# Altium PCB Pleiades_Frouf.PcbDoc (part 5 of 12)
Units mil, origin at the board's own origin, x right, y up, seen from the top; angles counter-clockwise.
Board outline 12244.09 x 4515.28 mil, 12 copper layers (TOP, GND1, IN1, GND2, POW1, GND3, POW2, GND4, GND5, IN2, GND6, BOT), stack 63.546 mil thick; 1442 components, 702 nets, 4419 pads, 1756 vias.
Unrouted connection lines stored in the file: 1088.
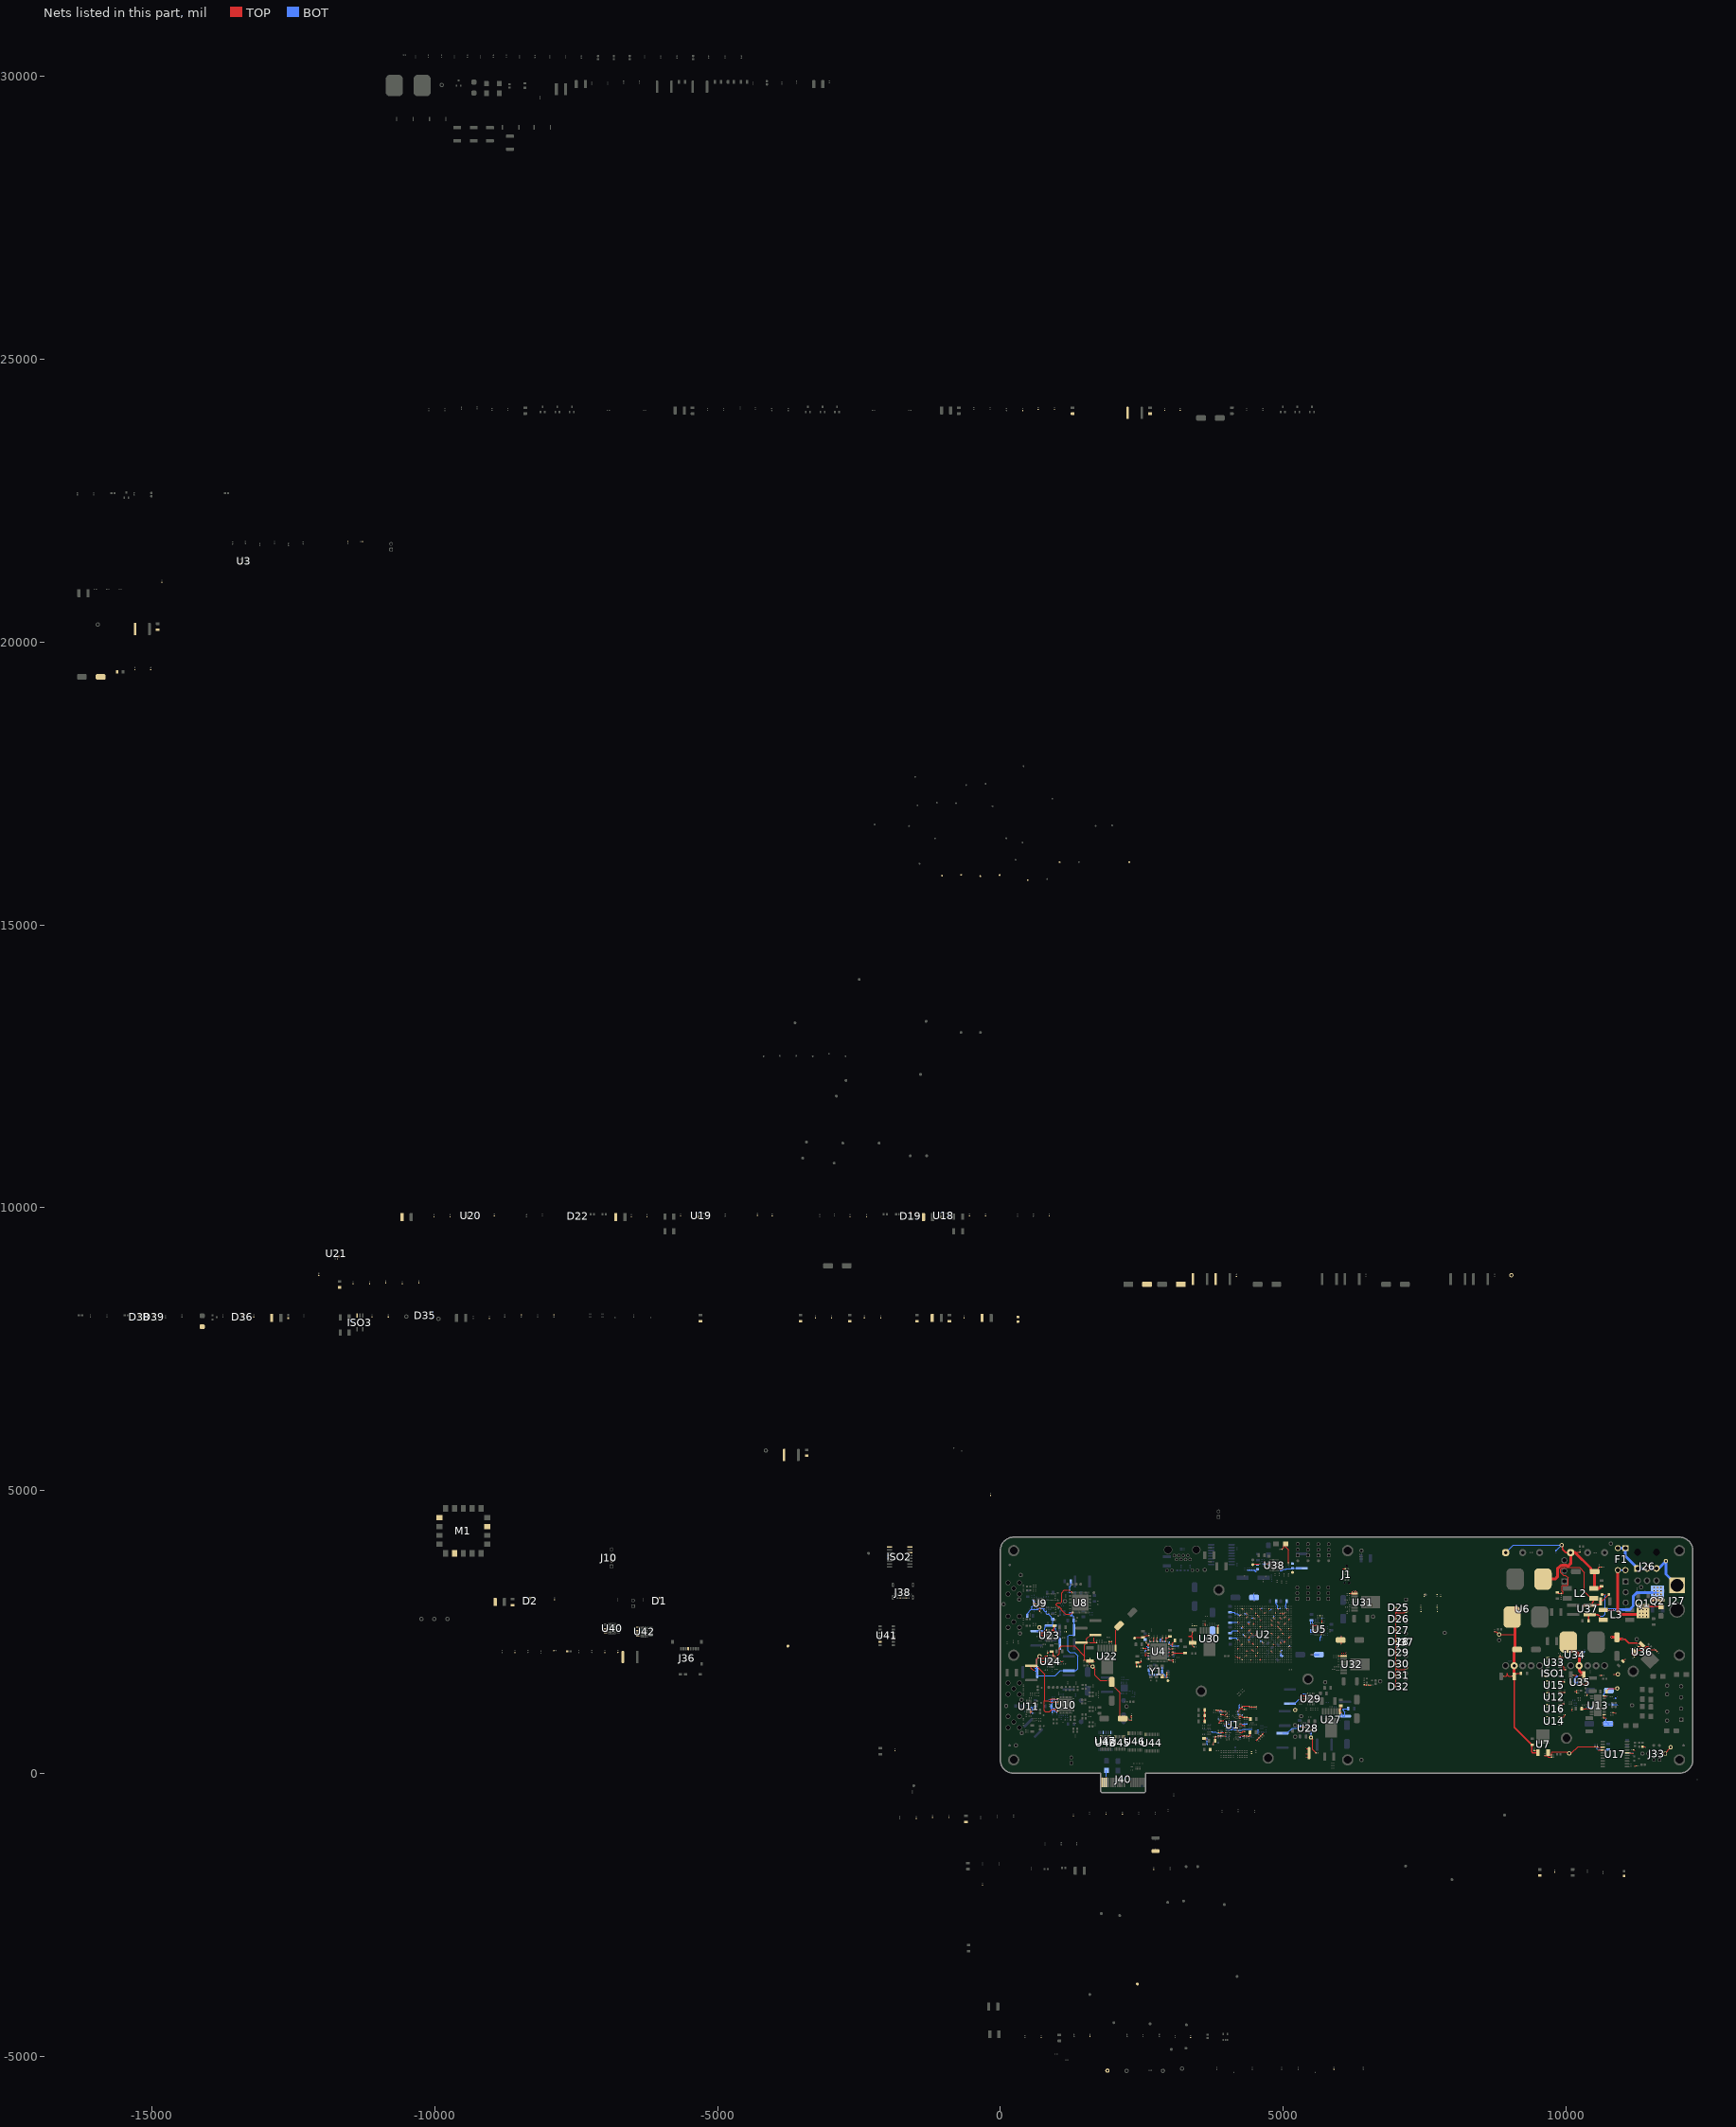
[diagram p15: the nets of this part, all layers, seen from the top]

## Via types
v1: diameter 12/18/18/18/18/18/18/18/18/18/18/12 (per signal layer), hole 6, TOP to BOT, 1113 vias
v2: diameter 20, hole 10, TOP to BOT, 363 vias
v3: diameter 19.68, hole 7.87, TOP to BOT, 110 vias
v4: diameter 25, hole 12, TOP to BOT, 67 vias
v5: diameter 40, hole 20, TOP to BOT, 48 vias
v6: diameter 22, hole 12, TOP to BOT, 27 vias
v7: diameter 12, hole 6, TOP to BOT, 19 vias
v8: diameter 19.68, hole 11.81, TOP to BOT, 9 vias

## Nets (pads, with @x,y where several pads share a name; then routed paths per layer and width w, separated by ;. In a path a pad name is that pad's centre, name@x,y a point inside that pad or via, vN(x,y) a via of type N, cw(c..) or ccw(c..) an arc to the next point about the centre after c; other vN are vias at no path point) (continued)
+3V3A: C285.1 C286.1 C287.1 C288.1 C289.1 C290.1 C291.1 C292.1 C293.1 C311.1 C312.1 C313.1 C314.1 C315.1 C316.1 C317.1 C318.1 C319.1 C320.1 C321.1 C322.1 C323.1 C324.1 C325.1 C392.1 C393.1 C394.1 C395.1 TP99.1 U8.16 U8.33 U8.34 U10.37 U10.40 U10.45 U10.48 U24.1 U24.3 U24.20 | length 7128.6
  TOP w6: 780,1281.49 783.51,1285 ; v1@985,1257.4 U10.40@1018.35,1257.4 ; v1(985.31,1316.15) 985.61,1316.46 U10.37@1018.35,1316.46 ; v1(985.61,1099.32) v1@985.91,1099.62 ; U10.48@1018.35,1099.92 986.21,1099.92 v1@985.91,1099.62 ; U10.45@1018.35,1158.98 v1(986.21,1158.98) 985.91,1158.68 985.91,1129.15 v1@985.91,1099.62 ; v1(1232.1,3214.46) 1259.68,3214.46 1263.2,3210.95 1263.2,3193.29 U8.16@1263.54,3192.94
  TOP w12: C394.1@622.33,1900.8 641.2,1919.67 641.2,2016.35 TP99.1@693.19,2068.33 ; C395.1@722.88,2002.22 722.88,2009.22 693.19,2038.91 TP99.1@693.19,2068.33 ; C395.1@726.38,1995.02 726.38,1982.53 729.9,1979.02 U24.3@793.19,1979.02 ; U24.20@836.5,2073.51 796.74,2073.51 793.19,2069.96 U24.1@793.19,2030.2 733.54,2030.2 695.4,2068.33 TP99.1@693.19,2068.33 ; U8.33@1263.54,2840.58 U8.34@1283.23,2840.58
  TOP w20: v1(599.2,1805) 544.34,1859.86 544.34,1897.18 C394.1@547.95,1900.8 C394.1@586.79,1900.8 ; v1(599.2,1855.74) 599.2,1888.39 C394.1@586.79,1900.8 ; 780,1281.49 780,1105.58 793.19,1092.38 870.83,1092.38 907.59,1129.15 985.91,1129.15 ; v1@985,1257.4 v1(984.45,1256.86) 895.36,1256.86 v1@867.21,1285 ; v1(985.31,1316.15) 898.36,1316.15 v1@867.21,1285 ; v1(1232.1,3214.46) 1232.1,3229.74 1220.38,3241.46 1133.26,3241.46 1083.2,3191.39 1083.2,3032.19 1061.95,3010.95 1009.55,3010.95 988.53,2989.93 988.53,2973.36 1016.33,2945.56 1038.19,2945.56 1078.3,2905.45 1078.3,2891.41 1153.53,2816.17 v1(1232.1,2816.17) 1247.11,2816.17 1258.82,2827.89 1258.82,2835.86 U8.33@1263.54,2840.58 ; C394.1@586.79,1900.8 622.33,1900.8 634.05,1889.07 647.46,1889.07 783.51,1753.01 783.51,1285 v1@867.21,1285
  BOT w6: C313.1@920.76,1258.59 920.76,1310.58 C315.1@920,1311.34 ; C317.1@921.52,1068.91 C314.1@921.52,1106.58 ; C314.1@921.52,1107.13 900.33,1128.33 C311.1@900.33,1174.22 ; C314.1@921.8,1106.86 C318.1@959.72,1106.86 ; C316.1@999.89,1068.91 999.89,1090.16 C325.1@1015.39,1105.66 993.57,1105.66 987.24,1099.32 v1(985.61,1099.32) 970.61,1099.32 969.12,1100.81 965.77,1100.81 C318.1@960,1106.58 C318.1@959.72,1106.86 ; C323.1@1017.5,1308.1 994.98,1308.1 986.93,1316.15 v1(985.31,1316.15) 983.81,1316.15 979,1311.34 C321.1@960,1311.34 ; 1018.35,1158.98 v1(986.21,1158.98) 984.59,1158.98 979,1153.39 965.52,1153.39 C320.1@960,1147.87 ; C324.1@1018.35,1257.4 1018.07,1257.13 984.73,1257.13 v1(984.45,1256.86) 983.63,1256.04 961.37,1256.04 C319.1@961.09,1256.31 ; C292.1@1232.1,3192 v1(1232.1,3214.46) v1@1232.86,3215.22 ; C289.1@1232.86,3302.41 C289.1@1233.62,3303.18 C289.1@1233.62,3304.26 ; C311.1@900.33,1174.22 C311.1@900.33,1182.87 900.33,1194.22 921.52,1215.42 C313.1@921.52,1257.82 ; C311.1@900.33,1174.22 926.68,1147.87 C320.1@960,1147.87 ; C315.1@920,1311.34 C321.1@960,1311.34 ; C315.1@920,1311.34 918.92,1311.34 910.72,1303.14 C312.1@882.33,1303.14 867.21,1288.03 v1(867.21,1282.68) 868.36,1281.54 868.36,1279.19 873.73,1273.82 899.01,1273.82 902.52,1270.31 902.52,1261.34 906.04,1257.82 C313.1@921.52,1257.82 ; C313.1@921.52,1257.82 922.83,1256.52 958.7,1256.52 C319.1@960,1255.22 C319.1@961.09,1256.31 ; C318.1@959.72,1106.86 960,1107.13 C320.1@960,1147.87 ; C321.1@960,1311.34 960,1257.4 C319.1@961.09,1256.31
  BOT w12: v1@1232.86,3215.22 C289.1@1232.86,3302.41 ; C289.1@1233.62,3304.26 1245.94,3316.58 C287.1@1245.94,3392.72
  BOT w20: v1(599.2,1805) 639.6,1805 C393.1@641.2,1803.4 ; v1(599.2,1855.74) 639.6,1855.74 C393.1@641.2,1854.13 ; TP99.1@693.19,2068.33 641.2,2016.35 C393.1@641.2,1854.13 ; v1(1232.1,2816.17) 1232.58,2816.65 C290.1@1232.58,2842.98 ; C290.1@1232.1,2842.5 C290.1@1232.58,2842.98 ; C285.1@1302,2534.28 1302,2698.95 C286.1@1298.94,2702.01 1298.94,2767.33 1280.94,2785.33 1256.82,2785.33 1256.1,2786.05 1256.1,2788.17 1274.34,2806.41 C293.1@1274.34,2844.42 1273.38,2843.46 1233.06,2843.46 C290.1@1232.58,2842.98 ; C285.1@1302.4,2534.28 1302.4,2460.44 1290,2448.03 1217.94,2448.03 1200,2430.09 1200,2166.84 1230.49,2136.36 1310.39,2136.36 1368.85,2077.89 1368.85,1850.49 1335.5,1817.14 1218.65,1817.14 C392.1@1214.16,1812.65 1058.26,1812.65 970.61,1725 668.1,1725 652,1741.1 C393.1@652,1790 ; C393.1@641.2,1803.4 C393.1@641.2,1854.13 ; C393.1@641.2,1803.4 C393.1@652,1792.6 ; C393.1@641.2,1803.4 641.2,1800.8 C393.1@652,1790 ; C393.1@641.2,1854.13 652,1843.33 C393.1@652,1792.6 ; C393.1@652,1790 C393.1@652,1792.6
  other v1: 940.76,1256.52
+3V3A_EN: R188.2 U2.U20 | length 64.7
  TOP w6: R188.2@1067.7,1979.02 v1(1104.94,1979.02) ; U2.U20@4787.4,2712.6 4806.06,2693.94 v1(4807.16,2693.94)
+3V3A_ETH: C521.1 C522.1 C523.1 FB7.2 TP139.1 U38.3 | length 344.7
  TOP w6: TP139.1@4463.56,3689.29 4471.98,3697.7 4487.45,3697.7 4489.08,3699.33 4583.54,3699.33 4583.65,3699.43 4587.89,3699.43 v1(4589.04,3700.58) ; v1@4703.87,3711.85 v1(4706.25,3709.47) 4707.03,3708.68 4746.78,3708.68 U38.3@4747.56,3707.9
  BOT w6: FB7.2@4543.9,3687.29 4556.55,3699.94 4588.4,3699.94 v1(4589.04,3700.58) ; C521.1@4640.02,3701.26 4640.33,3701.56 4680.24,3701.56 C522.1@4680.55,3701.87 4698.66,3701.87 v1(4706.25,3709.47) 4707.4,3708.32 4715.14,3708.32 C523.1@4743.11,3680.35
+3V3D: C99.2 C100.1 C111.1 C112.1 C113.1 C114.1 C115.1 C116.1 C117.1 C118.1 C119.1 C120.1 C121.1 C122.1 C123.1 C124.1 C125.1 C126.1 C127.1 C128.1 C129.1 C130.1 C131.1 C132.2 C134.1 C135.1 C136.1 C148.1 C149.1 C153.1 C154.1 C162.1 C163.1 C164.1 C165.1 C166.1 C167.1 C168.1 C169.1 C170.1 C171.1 C172.1 C173.1 C174.1 C175.1 C176.1 C177.1 C178.1 C179.1 C180.1 C181.1 C182.1 C201.1 C202.1 C203.1 C204.1 C205.1 C206.1 C207.1 C208.1 C209.1 C210.1 C211.1 C371.1 C372.1 C373.1 C375.1 C376.1 C377.1 C379.1 C380.1 C381.1 C382.1 C383.1 C384.1 C385.1 C386.1 C387.1 C467.1 C468.1 C469.1 C470.1 C471.1 C480.1 C488.1 C489.1 C513.1 C514.1 C515.1 C520.1 C529.1 C532.1 C534.1 C535.1 C542.1 C543.1 C547.1 C548.1 C577.1 C578.1 C579.1 C580.1 C599.1 C600.1 C601.1 C602.1 D1.3 D2.3 D19.3 D22.3 D25.3 D26.3 D27.3 D28.3 D29.3 D30.3 D31.3 D32.3 FB1.1 FB2.1 FB5.1 FB6.1 FB7.1 FB8.1 ISO1.5 J1.1 J36.4 J37.3 J37.13 NT47.1 R47.1 R48.2 R49.2 R54.1 R55.1 R56.1 R59.1 R60.1 R62.1 R79.1 R168.1 R171.1 R172.1 R174.1 R175.1 R176.1 R180.1 R181.1 R182.1 R183.1 R220.1 R239.1 R243.1 R244.1 R246.1 R310.1 R321.1 R323.1 R338.1 R343.1 R344.1 R345.1 R346.1 R347.1 R348.1 TP114.1 U2.AA6 U2.AA10 U2.AA16 U2.AA21 U2.AB14 U2.AB23 U2.AC10 U2.AC18 U2.AC21 U2.AD25 U2.AE8 U2.AE12 U2.AE16 U2.AE20 U2.B3 U2.B7 U2.B11 U2.B15 U2.B19 U2.C22 U2.D9 U2.D17 U2.D25 U2.E13 U2.F6 U2.F21 U2.F23 U2.G10 U2.G12 U2.G15 U2.G18 U2.H14 U2.H25 U2.J9 U2.J18 U2.J21 U2.K13 U2.K23 U2.L5 U2.L22 U2.M17 U2.M20 U2.M25 U2.N10 U2.P23 U2.T25 U2.U6 U2.U14 U2.U18 U2.V9 U2.V21 U2.W23 U2.Y12 U2.Y17 U2.Y19 U2.Y25 U3.5 U4.8 U4.11 U4.18 U4.21 U4.26 U4.29 U4.32 U5.B2 U5.C6 U5.D6 U5.G5 U5.H2 U12.1 U14.1 U15.1 U16.1 U18.3 U19.3 U20.3 U21.2 U31.1 U32.1 U33.1 U33.7 U40.4 U41.36 U42.4 U43.10 U43.16 U44.20 U45.10 U45.16 U46.20 U47.4 U47.9 | length 8788.3
  TOP w6: FB2.1@2412.26,1886.99 2412.26,1951.83 C162.1@2420.8,1960.37 2422.09,1961.66 2483.58,1961.66 2487.09,1965.17 C182.1@2487.09,1982.68 C182.1@2490.65,1979.11 ; U4.32@2653.54,2327.91 v1(2653.54,2360.63) ; U4.29@2712.6,2327.91 v1(2712.6,2362.59) C168.1@2712.6,2397.59 ; U4.26@2771.65,2327.91 v1(2771.65,2362.59) C167.1@2771.65,2397.59 ; C166.1@2869.6,2397.59 2869.84,2397.35 2869.84,2362.83 2870.08,2362.59 v1@2870.08,2357.92 ; U4.21@2870.08,2327.91 v1@2870.08,2357.92 ; v1(2874.75,2357.92) v1@2870.08,2357.92 ; U4.18@2929.13,2327.91 v1@2929.13,2362.59 ; v1(2929.33,2362.57) 2929.2,2362.7 2929.2,2397.46 C169.1@2929.08,2397.59 2966.8,2397.59 2970.32,2401.1 2970.32,2401.65 2990.67,2422 C163.1@2999.32,2422 ; U4.8@2977.36,2141.89 v1(3012.8,2141.89) C170.1@3047.5,2141.89 3063.5,2125.89 3149.29,2125.89 3150.4,2127 C181.1@3265,2127 ; U4.11@2977.36,2200.94 3012.7,2200.94 v1(3012.8,2201.04) C171.1@3048.2,2201.09 ; R239.1@3400,2305.93 v1(3400,2252.84) 3401.15,2251.69 3408.72,2251.69 R321.1@3426.15,2234.26 ; R246.1@3627,2614.75 3627,2649.87 v1(3627.5,2650.37) ; v1(4177.8,2067.2) 4178.94,2066.05 4178.94,2061.21 U2.B3@4196.85,2043.31 ; U2.B7@4196.85,2200.79 4214.07,2218.01 v1(4214.07,2218.74) ; U2.B11@4196.85,2358.27 4214.07,2341.05 v1(4214.07,2339.84) ; U2.B15@4196.85,2515.75 4215.2,2497.4 v1(4215.2,2495) ; U2.B19@4196.85,2673.23 4196.85,2672.95 v1(4214.8,2655) ; U2.C22@4236.22,2791.34 4237.45,2791.34 4255.09,2808.98 v1(4256.33,2808.98) ; v1(4257.35,2264.41) 4272.47,2279.53 U2.D9@4275.59,2279.53 ; U2.D17@4275.59,2594.49 4290.24,2579.84 v1(4290.24,2575) ; U2.D25@4275.59,2909.45 4290.24,2894.8 v1(4290.24,2890) ; U2.E13@4314.96,2437.01 4314.96,2436.81 v1(4336.77,2415) ; U2.F6@4354.33,2161.42 4357.5,2161.42 4365.74,2169.65 4375.05,2169.65 v1(4376.2,2170.8) ; U2.F21@4354.33,2751.97 4369.08,2766.71 v1(4369.08,2770.21) ; U2.F23@4354.33,2830.71 4354.33,2830.24 4374.1,2810.47 v1(4374.1,2810) ; v1(4374.44,2655) 4374.44,2653.12 U2.G18@4393.7,2633.86 ; U2.G10@4393.7,2318.9 v1(4414.65,2339.84) ; U2.G12@4393.7,2397.64 4411.06,2415 v1(4421.2,2415) ; U2.G15@4393.7,2515.75 4411.06,2533.11 v1(4421.2,2533.11) ; U2.H14@4433.07,2476.38 4455,2454.45 v1(4455,2452.6) ; U2.H25@4433.07,2909.45 4447.72,2894.8 v1(4452.69,2894.8) ; v1(4450.15,2307.51) 4451.3,2306.36 4451.3,2300.67 U2.J9@4472.44,2279.53 ; U2.J18@4472.44,2633.86 4491.71,2653.12 v1@4493.23,2653.12 ; U2.J21@4472.44,2751.97 4493.23,2731.18 v1(4493.23,2730) ; U2.K13@4511.81,2437.01 4512.56,2437.01 v1(4530,2454.45) ; U2.K23@4511.81,2830.71 4511.81,2828.78 v1(4530.59,2810) ; U2.L5@4551.18,2122.05 4552.11,2122.98 4552.11,2140.72 v1(4553.04,2141.65) ; U2.L22@4551.18,2791.34 4572.31,2770.21 v1(4573.12,2770.21) ; U2.M17@4590.55,2594.49 4592.59,2594.49 v1(4610.23,2576.85) ; U2.M20@4590.55,2712.6 4609.21,2693.94 v1(4613.62,2693.94) ; U2.M25@4590.55,2909.45 4610,2890 v1(4610.17,2890) ; U2.N10@4629.92,2318.9 v1(4649.12,2299.75) ; U2.P23@4669.29,2830.71 4683.58,2845 v1(4690,2845) ; U2.T25@4748.03,2909.45 4765,2892.48 v1(4765,2890) ; U2.U6@4787.4,2161.42 4787.4,2160.31 4805,2142.71 v1(4805,2141.61) ; U2.U14@4787.4,2476.38 4789.52,2476.38 v1(4807.16,2458.74) ; U2.U18@4787.4,2633.86 4806.26,2615 v1(4807.16,2615) ; U2.V9@4826.77,2279.53 4828.62,2279.53 v1(4850,2258.15) ; U2.V21@4826.77,2751.97 4846.22,2732.52 v1(4846.22,2730) ; U2.W23@4866.14,2830.71 4880.43,2845 v1(4885,2845) ; U2.Y12@4905.51,2397.64 4922.48,2414.61 v1(4922.48,2418.27) ; U2.Y17@4905.51,2594.49 4922.48,2577.52 v1(4922.48,2575) ; U2.Y19@4905.51,2673.23 4905.51,2671.86 v1(4924.25,2653.12) ; U2.Y25@4905.51,2909.45 4922.48,2892.48 v1(4930,2892.48) ; U2.AA6@4944.88,2161.42 4960,2146.3 v1(4960,2142.76) ; U2.AA10@4944.88,2318.9 4960,2303.78 v1(4960,2298.79) ; U2.AA16@4944.88,2555.12 4960,2540 v1(4960,2533.11) ; U2.AA21@4944.88,2751.97 4964.33,2732.52 v1(4970,2732.52) ; U2.AB14@4984.25,2476.38 4987.36,2476.38 v1(5005,2458.74) ; U2.AB23@4984.25,2830.71 v1(5005,2810) ; U2.AC10@5023.62,2318.9 5045,2340.28 v1(5045,2340.67) ; U2.AC18@5023.62,2633.86 5041.26,2651.5 v1(5045,2651.5) ; U2.AC21@5023.62,2751.97 v1(5041.65,2770) v1@5042.28,2770 ; U2.AD25@5062.99,2909.45 5065.55,2909.45 v1(5085,2890) ; U2.AE8@5102.36,2240.16 5120,2222.52 v1(5120,2218.74) ; U2.AE12@5102.36,2397.64 5105.31,2397.64 v1(5122.68,2415) ; U2.AE16@5102.36,2555.12 5102.36,2554.8 v1(5120,2537.17) ; U2.AE20@5102.36,2712.6 5102.6,2712.6 v1(5120,2730) ; v1@5509.09,2643.16 v1(5509.09,2641.69) 5539.8,2610.97 5578.32,2610.97 U5.G5@5593.01,2625.66 ; U5.C6@5561.52,2499.67 5542.3,2499.67 v1(5526.41,2515.56) 5542.01,2531.17 U5.D6@5561.52,2531.17 ; v1(5673.5,2451.68) 5673.5,2452.93 5687.5,2466.93 U5.B2@5687.5,2468.18 ; U5.H2@5687.5,2657.15 5687.5,2716.25 v1(5687.6,2716.35) ; R244.1@5978.69,2077.46 5981.33,2074.82 6042.63,2074.82 6068.8,2074.82 U32.1@6071.43,2072.19 ; 6055.13,3616.22 J1.1@6101.73,3616.22 ; R243.1@6173.26,3177.5 6174.22,3176.54 U31.1@6228.29,3176.54 ; D25.3@6996.27,2930 6997.8,2928.46 6997.8,2852.6 ; D32.3@6997.8,1530 6997.8,1858.6 ; J37.13@7174.17,1869.06 7142.04,1836.93 7019.47,1836.93 6997.8,1858.6 ; J37.3@7174.17,2869.06 7140.11,2835 7015.4,2835 6997.8,2852.6 ; 6997.8,1858.6 6997.8,2852.6
  TOP w20: v1(6037.74,2135.67) v1(6037.74,2104.24) 6037.74,2079.71 6042.63,2074.82 6045.26,2072.19 U32.1@6071.43,2072.19 ; v1(6071.29,2135.67) 6071.43,2135.54 U32.1@6071.43,2072.19 ; v1(6107.69,2134) 6107.69,2079.71 6100.17,2072.19 U32.1@6071.43,2072.19 ; v4(6221.73,3225.58) 6221.73,3183.1 6228.29,3176.54 6229.25,3175.58 U31.1@6263.09,3175.58 ; v4(6264.08,3225.58) 6264.08,3176.56 U31.1@6263.09,3175.58 ; v4(6304.87,3225.58) 6304.87,3183.1 6297.35,3175.58 U31.1@6263.09,3175.58
  TOP w25: v4(6020.46,2281.75) 6020.46,2369.38 6024.6,2373.52 v4(6024.6,2430.3)
  BOT w6: C153.1@2628.02,1825.36 2628.02,1753.57 2641.59,1740 FB1.1@2710.47,1740 ; C178.1@2641.03,2324.09 2653.54,2336.61 v1(2653.54,2360.63) ; v1(2712.6,2362.59) 2713.58,2361.61 2713.58,2330.17 C177.1@2714.57,2329.19 ; C176.1@2771.65,2329.19 v1(2771.65,2362.59) ; C172.1@2830.71,2329.19 2830.71,2365.22 2831.84,2366.35 2864.7,2366.35 2868.46,2362.59 2870.08,2362.59 v1@2870.08,2357.92 ; C179.1@2870.08,2329.19 v1@2870.08,2357.92 ; v1(2874.75,2357.92) v1@2870.08,2357.92 ; C175.1@2909.45,2329.19 2928.18,2347.92 2928.18,2361.43 v1(2929.33,2362.57) ; C174.1@2980.1,2141.89 v1(3012.8,2141.89) 3012.97,2142.06 3047.33,2142.06 C164.1@3047.5,2142.24 ; C173.1@2980.1,2201.09 v1@3012.77,2201.06 ; C128.1@4061.6,2659.6 4076.07,2674.07 4195.74,2674.07 v1(4214.8,2655) ; C148.1@4061.58,2843.68 4129.58,2843.68 4153.32,2819.93 4192.74,2819.93 C126.1@4228.21,2784.46 4230.19,2784.46 4254.7,2808.98 v1(4256.33,2808.98) ; C113.1@4062.84,2477 4072.84,2477 4111.59,2515.75 4194.45,2515.75 v1(4215.2,2495) ; C114.1@4065,2386.16 4076.48,2397.64 4155.19,2397.64 4160.9,2391.93 4170.64,2391.93 C120.1@4176.4,2386.16 4180.98,2381.59 4180.98,2372.94 v1(4214.07,2339.84) ; C135.1@4261.92,2567.47 4282.7,2567.47 v1(4290.24,2575) ; C129.1@4293.62,2452.6 4333.39,2412.83 4333.39,2420 4336.77,2416.62 v1(4336.77,2415) ; C131.1@4322.88,2820.29 4363.51,2820.29 4373.8,2810 v1(4374.1,2810) ; C513.1@4369.55,3594.19 C514.1@4408.9,3594.16 ; v1(4374.44,2655) 4385.56,2666.13 C130.1@4404.06,2666.13 ; C116.1@4392.23,2357.65 4408.9,2340.99 4413.5,2340.99 v1(4414.65,2339.84) ; C514.1@4408.9,3594.16 C515.1@4447.53,3594.19 ; C124.1@4444.79,2742.45 4480.78,2742.45 v1(4493.23,2730) ; C515.1@4447.56,3594.22 C520.1@4486.93,3594.16 ; C119.1@4603.79,2334.35 4604.56,2333.58 4615.29,2333.58 v1(4649.12,2299.75) ; v1(4610.17,2890) 4620.52,2900.35 C117.1@4620.52,2916.17 ; v1(4765,2890) 4766.62,2890 4771.22,2894.59 4784.64,2894.59 C136.1@4790.22,2900.17 ; C121.1@4837.63,2779.09 4837.63,2740.22 4846.22,2731.62 v1(4846.22,2730) ; C123.1@4878.22,3040 4878.22,2987.13 4902.98,2962.36 4902.98,2916.95 4908,2911.93 4908.43,2912.36 C118.1@4946.83,2912.36 4931.15,2896.68 4931.15,2893.63 v1(4930,2892.48) ; C115.1@4970.75,2076.06 4963.68,2083.13 4963.68,2137.45 4960,2141.13 v1(4960,2142.76) 4961.15,2143.9 4961.15,2153.01 C149.1@4981.13,2172.99 ; C134.1@5063.55,3040 5050.05,3026.5 5050.05,2974.18 5045.17,2969.3 5045.17,2928.34 5046.66,2928.34 v1(5085,2890) ; C125.1@5114.74,2252.53 5114.74,2244.38 5120,2239.11 v1(5120,2218.74) ; C203.1@5489.8,2643.16 5489.8,2688.55 C201.1@5504.23,2702.98 5507.6,2702.98 5526.41,2684.17 C211.1@5526.41,2643.16 ; C206.1@5652,2354 5653.25,2355.26 5653.25,2396.39 C209.1@5654.5,2397.64 5673.5,2416.64 v1(5673.5,2451.68) ; C208.1@5687.5,2693.33 5687.6,2693.43 v1(5687.6,2716.35) 5687.6,2739.27 C205.1@5687.7,2739.37 ; C520.1@4486.93,3594.16 4530.77,3594.16 FB7.1@4543.9,3607.29 4543.9,3579.73 v1(4531.47,3567.29) 4513.8,3567.29 C520.1@4486.93,3594.16 ; C202.1@5489.8,2494.49 C204.1@5489.8,2536.63 C210.1@5526.41,2536.63 v1(5526.41,2515.56) C207.1@5526.41,2494.49 C202.1@5489.8,2494.49
  BOT w12: v1(4485.04,3188.24) 4485.04,3109.71 C127.1@4486.9,3107.85 4490,3104.75 v1(4490,3045.41)
  BOT w25: v1(5494.49,2093.04) 5494.69,2093.24 5529.47,2093.24 v1(5531.14,2094.91) 5630.67,2094.91 C112.1@5632.99,2097.23
  other v1: 6107.59,2103.24 6069.62,2104.3 4493.82,2657.15
+3V3D_CURR_23: TP155.1 U40.7 U41.26
+3V3D_ETH: C516.1 C517.1 C518.1 C519.1 D42.2 FB6.2 R289.1 R290.1 R295.1 TP138.1 U38.17 | length 949.4
  TOP w6: U38.17@4940.47,3609.47 v1(4976.33,3609.47) ; R295.1@4978.84,3960.05 5014.87,3996.07 5014.87,4023.1 D42.2@5046.34,4054.58 5046.34,4000.44 5096.89,3949.88 R290.1@5096.89,3719.43
  BOT w6: R289.1@4947.91,3581.92 4980.75,3581.92 C518.1@5009.43,3610.6 ; v1(4976.33,3609.47) 4977.45,3610.6 C518.1@5009.43,3610.6 ; C516.1@5330.55,3626.52 5163.58,3626.52 FB6.2@5163.23,3626.87 5149.65,3613.3 5105.12,3613.3 C517.1@5103.54,3611.72 C519.1@5057.23,3611.72 5056.1,3610.6 C518.1@5009.43,3610.6
+3V3D_SHUNT_17_+: NT47.2 U40.5 | length 127.2
  TOP w6: 3330,2416.93 3376.5,2416.93 3400,2393.43 NT47.2@3400,2345.93
+3V3D_SHUNT_17_-: NT46.2 U40.6 | length 124.2
  TOP w6: 3330,2428.94 3376.5,2428.94 3400,2452.43 NT46.2@3400,2496.93
+3V3D_VOLT_23: R323.2 R325.2 TP153.1 U41.25
+5V: C236.1 C237.1 C366.1 C367.1 C368.1 C369.1 C370.1 R90.1 TP47.1 U7.2 U17.3 U17.4 | length 1696
  TOP w10: C237.1@9625,312.5 9659,312.5 9685,338.5 U7.2@9685,351 ; C236.1@9747.5,284.98 9690.86,284.98 9685,290.84 U7.2@9685,351 ; C370.1@10557.23,470.13 C368.1@10512.73,470.13 10213.84,470.13 10102.71,359 10066.45,359 TP47.1@10057.46,350 10045.54,350 10019.1,376.44 9759.43,376.44 9747.5,364.51 R90.1@9747.5,325 9711,325 U7.2@9685,351 ; C370.1@10562.83,464.52 v1(10592.38,464.52) U17.3@10651.42,464.52 ; v1(10567.02,414.52) U17.4@10651.42,414.52
  BOT w10: C367.1@10512.73,470.13 C369.1@10554.23,470.13 ; v1(10592.38,464.52) 10591.84,464.52 10586.23,470.13 C369.1@10554.23,470.13 ; C366.1@10750,416.04 10569.08,416.04 10567.56,414.52 v1(10567.02,414.52) 10567.02,415.06 10554.23,427.86 C369.1@10554.23,470.13
+5V0A: C243.1 C244.1 C245.1 C246.1 C247.1 C248.1 C249.1 C259.1 C260.1 C261.1 C262.1 C263.1 C264.1 C265.1 C307.1 C308.1 C309.1 C310.1 C388.1 C389.1 C390.1 C391.1 TP98.1 U9.3 U9.4 U9.9 U9.10 U11.8 U23.1 U23.3 U23.20 | length 2563.1
  TOP w6: U11.8@537.78,1101.31 U11.8@537.78,1096.89 ; v1(546.13,1054.78) 544.98,1055.93 544.98,1063.91 537.78,1071.11 U11.8@537.78,1096.89 ; v1(564.39,1092.38) 542.28,1092.38 U11.8@537.78,1096.89 ; U9.4@622.32,2991.94 621.96,2992.3 605,2992.3 v1(595.52,3001.79) 596.97,3001.79 602.61,3007.42 605.8,3007.42 610,3011.63 U9.3@622.32,3011.63 ; U9.9@693.19,2921.08 693.19,2909.67 v1@703.03,2899.83 ; C391.1@697.35,2860.19 697.35,2888.89 703.03,2894.56 v1(703.03,2896.19) v1@703.03,2899.83 ; v1@703.03,2902.28 v1@703.03,2899.83 ; U9.10@712.87,2921.08 712.87,2909.67 v1@703.03,2899.83 ; U23.3@774.36,2436.18 739.95,2436.18 722.5,2453.63 v1(722.5,2463.23) 722.5,2472.83 736.85,2487.18 774.17,2487.18 U23.1@774.36,2487.36 774.36,2508.48 v1(785.45,2519.58) 796.54,2530.67 U23.20@817.66,2530.67